# Allegro board FMDEMOD-Long.brd (continued)
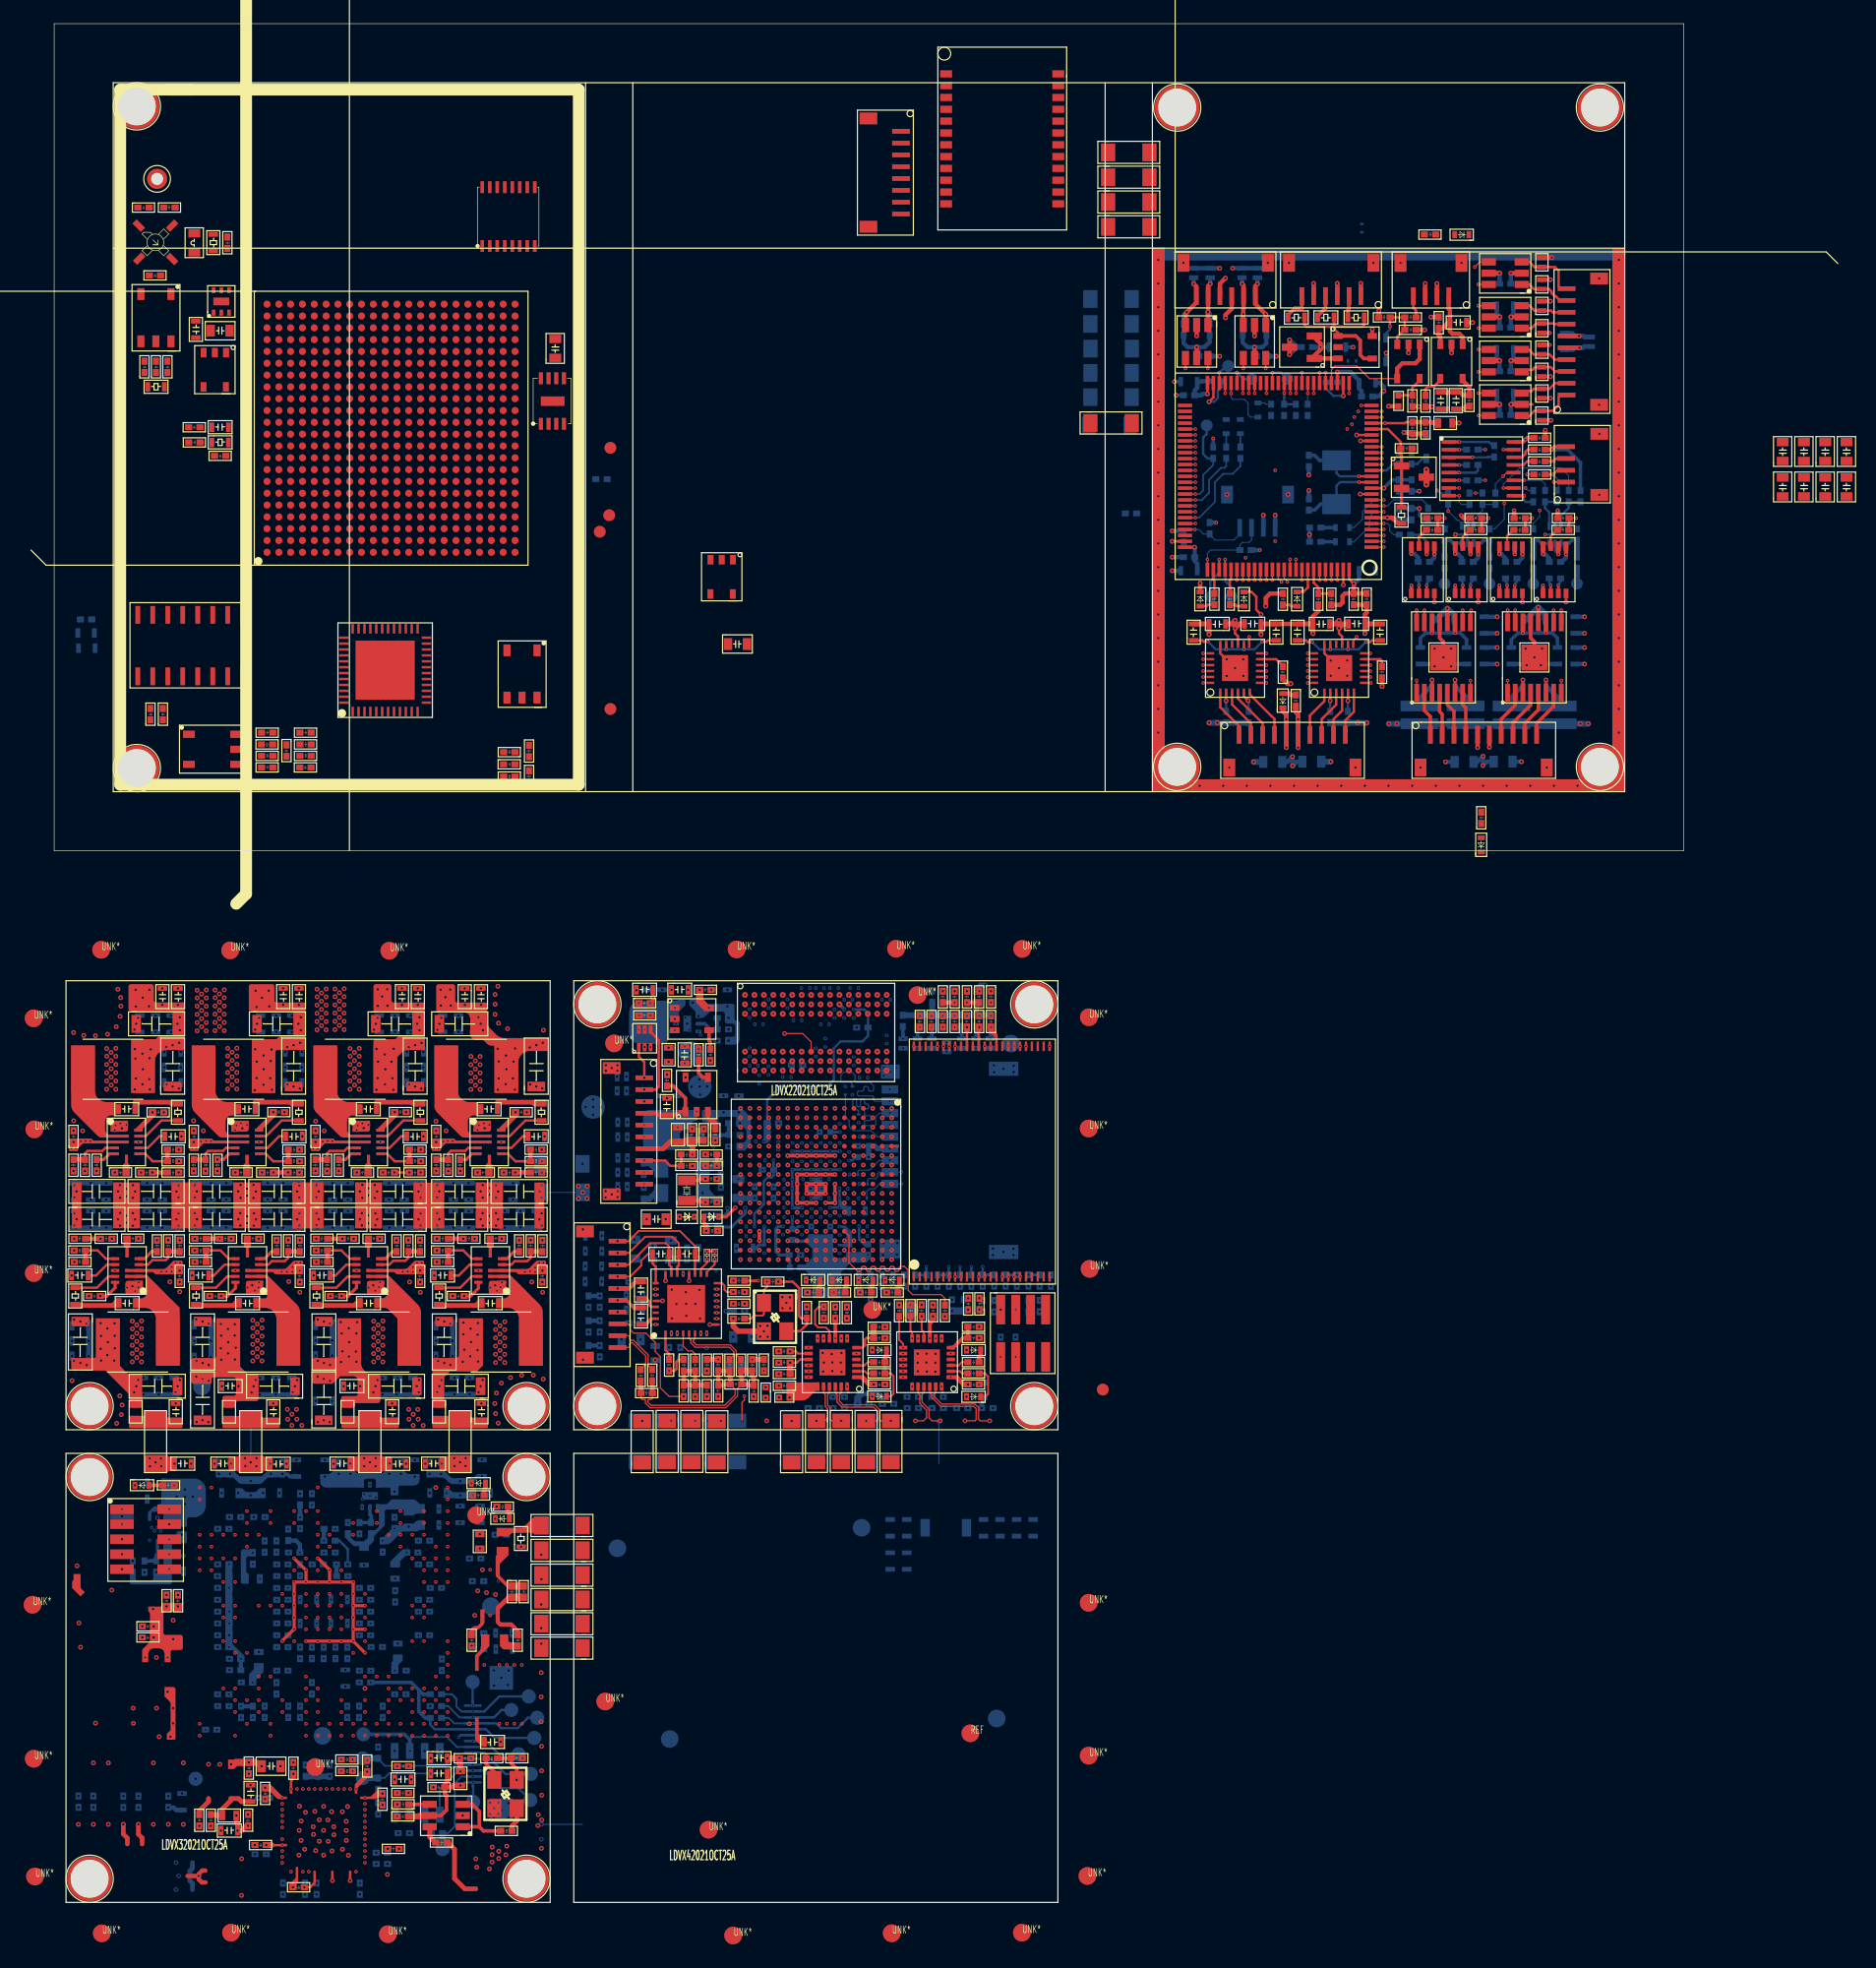
[diagram p0: board, top side]
## Routing (per net, layer and track width the routed paths; a pad name or vN(x,y) marks a point on that pad's centre or on a via; arc(x,y) is an arc through that point) (continued)
ENC3_A: length 4
  TOP w0.2: U50.3 124.94,46.13 125.36,45.71 D45.2 126.76,45.71 126.9,45.57 J14.8
ENC3_A_BUF: length 32.9
  TOP w0.1: U19.59 v1(96.64,33.69) ; U50.4 v1(120.61,46.13)
  SIGNAL-L7 w0.1: v1(96.64,33.69) 105.48,33.69 111.59,39.8 117.4,39.8 119.2,41.6 119.2,45.1 120.23,46.13 v1(120.61,46.13)
ENC3_B: length 4
  TOP w0.2: J14.7 127.1,44.57 127.05,44.62 D44.2 125.5,44.62 125.11,44.23 U50.1
ENC3_B_BUF: length 31.5
  TOP w0.1: U19.60 v1(96.64,33.19) ; U50.6 v1(120.61,44.23)
  SIGNAL-L7 w0.1: v1(120.61,44.23) 120.23,44.23 119.6,43.6 119.6,41.5 117.5,39.4 111.74,39.4 105.53,33.19 v1(96.64,33.19)
ENC4_A: length 5.5
  TOP w0.2: U51.3 124.93,49.83 125.36,49.4 D48.2 127.1,49.4 127.4,49.1 127.4,47.77 127.6,47.57 J14.10
ENC4_A_BUF: length 27.2
  TOP w0.1: U19.40 v1(102.67,38.71) ; v1(120.3,49.4) 120.73,49.83 U51.4
  SIGNAL-L7 w0.1: v1(102.67,38.71) 103.19,38.71 103.7,38.2 107.4,38.2 110,40.8 115.9,40.8 116.7,41.6 116.7,43.3 118.3,44.9 118.3,46.5 120.3,48.5 v1(120.3,49.4)
ENC4_B: length 4.4
  TOP w0.2: U51.1 124.9,47.93 125.3,47.53 D47.2 126.61,47.53 126.8,47.34 126.8,47.2 127.07,46.93 127.16,46.93 127.52,46.57 J14.9
ENC4_B_BUF: length 27
  TOP w0.1: U51.6 v1(120.6,47.93) ; U19.42 v1(101.67,38.71)
  SIGNAL-L7 w0.1: v1(101.67,38.71) 102.08,38.3 103.1,38.3 103.6,37.8 107.5,37.8 110.2,40.5 116.2,40.5 117.1,41.4 117.1,43.1 118.7,44.7 118.7,46.03 v1(120.6,47.93)
ENET1_CRS_DV: length 19
  SIGNAL-L4 w0.1: v17(67.72,-33.8) 67.29,-34.23 67.29,-35.09 67.45,-35.25 67.45,-35.39 67.23,-35.61 67.23,-35.75 67.37,-35.89 67.51,-35.89 67.74,-35.67 67.88,-35.67 68,-35.8 68.51,-35.8 68.99,-36.27 69.13,-36.27 69.81,-35.59 69.95,-35.59 70.09,-35.73 70.09,-35.87 69.58,-36.39 69.58,-36.53 69.68,-36.63 69.68,-37.08 69.33,-37.43 69.33,-37.63 69.43,-37.73 70,-37.73 70.1,-37.83 70.1,-38.04 69.88,-38.26 69.88,-38.4 70.02,-38.54 70.16,-38.54 70.38,-38.32 70.53,-38.32 70.67,-38.46 70.67,-38.6 70.45,-38.82 70.45,-38.96 70.59,-39.11 70.73,-39.11 70.95,-38.88 71.09,-38.88 71.23,-39.03 71.23,-39.17 71.01,-39.39 71.01,-39.53 71.15,-39.67 71.3,-39.67 71.46,-39.51 71.6,-39.51 71.74,-39.65 71.74,-39.79 71.58,-39.95 71.58,-40.1 71.72,-40.24 71.86,-40.24 72,-40.09 72.15,-40.09 72.29,-40.24 72.29,-40.38 72.14,-40.52 72.14,-40.66 72.21,-40.73 72.21,-41.76 72.46,-42.01 73.36,-42.01 73.47,-41.9 73.47,-41.59 v17(73.15,-41.27)
ENET1_LED1: length 1.6
  TOP w0.16: R99.1 76.88,-43.27 76.6,-43.55 U17.3
ENET1_LED2: length 1.5
  TOP w0.16: R108.1 76.88,-44.22 76.71,-44.05 U17.2
ENET1_NINT: length 34.4
  SIGNAL-L3 w0.1: v14(70.35,-41.23) 70.83,-41.23 71.21,-41.62 71.21,-42.35 71.41,-42.55 v17(71.89,-42.55)
  SIGNAL-L4 w0.1: v17(61.32,-27.4) 61.32,-28.13 60.9,-28.55 60.9,-29.74 61.23,-30.07 62.23,-30.07 62.51,-30.34 62.51,-35.14 62.21,-35.44 62.21,-39.02 63.27,-40.08 63.27,-42.17 63.66,-42.56 65.64,-42.56 68.72,-45.64 70.97,-45.64 71.18,-45.85 72.68,-45.85 73.05,-45.48 73.05,-44.55 72.85,-44.35 72.85,-43.1 72.3,-42.55 v17(71.89,-42.55)
ENET1_NRST: length 28
  SIGNAL-L4 w0.1: v17(71.89,-43.05) 72.22,-43.05 72.4,-43.23 72.4,-44.66 72.15,-44.92 71.2,-44.92 70.35,-44.07 v16(70.35,-43.27) 69.57,-44.05 67.99,-44.05 65.65,-41.71 65.65,-39.27 65.56,-39.18 65.56,-38.72 64.16,-37.33 64.16,-37.22 64.12,-37.19 64.12,-29.65 63.89,-29.42 62.95,-29.42 62.53,-29 v17(61.32,-29)
  BOTTOM w0.3: R270.1 70.35,-43.7 70.35,-43.7 v16(70.35,-43.27)
ENET1_RXD0: length 18.9
  SIGNAL-L4 w0.1: v17(66.92,-33.8) 67.33,-33.39 70.91,-33.39 73.03,-35.5 73.03,-38.09 72.91,-38.21 72.91,-38.66 73.03,-38.78 73.03,-38.92 72.75,-39.2 72.75,-39.47 73.34,-40.06 75.97,-40.06 76.17,-40.26 76.17,-41.8 75.92,-42.04 74.88,-42.04 74.65,-41.81 v17(74.65,-41.27)
ENET1_RXD1: length 19
  SIGNAL-L4 w0.1: v17(67.72,-34.6) 68.27,-35.14 69.7,-35.14 69.8,-35.05 69.8,-34.37 69.9,-34.27 70.1,-34.27 70.2,-34.37 70.2,-35.05 70.3,-35.14 70.5,-35.14 70.6,-35.05 70.6,-34.38 70.7,-34.28 70.89,-34.28 70.99,-34.38 70.99,-34.94 71.09,-35.05 71.56,-35.05 71.72,-35.21 71.72,-35.35 71.07,-35.99 71.07,-36.14 71.21,-36.28 71.36,-36.28 72,-35.63 72.14,-35.63 72.52,-36 72.52,-37.08 72.2,-37.41 71.74,-37.41 71.64,-37.51 71.64,-37.59 71.74,-37.69 72.14,-37.69 72.24,-37.79 72.24,-37.99 72.14,-38.09 72.12,-38.09 72,-38.21 72,-39.32 73.28,-40.59 74.8,-40.59 75.15,-40.94 v17(75.15,-41.27)
ENET1_RXER: length 21.7
  TOP w0.16: U17.10 73.65,-40.74 73.46,-40.56 v12(73.46,-39.39)
  SIGNAL-L4 w0.1: v12(73.46,-39.39) 74.05,-38.81 74.05,-37.85 73.46,-37.26 73.46,-34.86 72.85,-34.25 72.85,-34.1 73.03,-33.92 73.03,-33.78 72.89,-33.64 72.75,-33.64 72.57,-33.82 72.43,-33.82 72.27,-33.66 72.27,-33.52 73.64,-32.15 73.64,-32 73.5,-31.86 73.36,-31.86 71.98,-33.24 71.84,-33.24 71.7,-33.09 71.7,-32.95 73.07,-31.58 73.07,-31.44 72.93,-31.3 72.79,-31.3 71.38,-32.71 68.81,-32.71 v17(68.52,-33)
ENET1_RXN: length 8.2
  TOP w0.1: U17.22 74.15,-45.87 74.3,-46.02 74.3,-46.24 75.08,-47.02 77.88,-47.02 78.08,-47.22 78.08,-48.14 77.97,-48.24 v11(77.13,-48.24)
  SIGNAL-L3 w0.1: v14(77.38,-47.17) 77.38,-47.56 77.13,-47.82 v11(77.13,-48.24)
ENET1_RXP: length 8.2
  TOP w0.1: U17.23 74.65,-45.87 74.5,-46.02 74.5,-46.16 75.17,-46.82 77.97,-46.82 78.28,-47.14 78.28,-48.12 78.4,-48.24 v11(79.23,-48.24)
  SIGNAL-L3 w0.1: v11(79.23,-48.24) 79.23,-47.77 79.5,-47.5 v14(79.5,-47.17)
ENET1_TX_CLK: length 16.4
  TOP w0.1: R94.2 75.43,-37.88 75.11,-37.56 72.69,-37.56 72.32,-37.19 72.32,-35.5 72,-35.18 71.66,-35.18 71.56,-35.28 71.56,-35.47 71.46,-35.57 71.26,-35.57 71.16,-35.47 71.16,-35.28 71.06,-35.18 70.86,-35.18 70.76,-35.28 70.76,-35.47 70.66,-35.57 70.46,-35.57 70.36,-35.47 70.36,-35.28 70.26,-35.18 70.06,-35.18 69.96,-35.28 69.96,-35.47 69.86,-35.57 69.66,-35.57 69.56,-35.47 69.56,-35.28 69.46,-35.18 69.26,-35.18 69.16,-35.28 69.16,-35.47 69.06,-35.57 68.86,-35.57 68.76,-35.47 68.76,-35.28 68.66,-35.18 68.46,-35.18 68.36,-35.28 68.36,-35.47 68.26,-35.57 68.03,-35.57 67.3,-34.84 67.3,-32.58 U10.F14
ENET1_TXD0: length 21.5
  SIGNAL-L4 w0.1: v17(71.89,-44.05) 71.44,-44.05 71.08,-43.69 71.08,-42.51 70.52,-41.96 69.92,-41.96 69.51,-41.56 67.61,-41.56 67.51,-41.46 67.51,-41.27 67.61,-41.17 68.43,-41.17 68.53,-41.07 68.53,-40.9 68.43,-40.8 67.61,-40.8 67.51,-40.7 67.51,-40.48 67.61,-40.38 68.34,-40.38 68.48,-40.24 68.48,-40.1 68.38,-40 67.69,-40 67.51,-39.82 67.51,-39.07 67.01,-38.57 67.01,-37.42 66.5,-36.91 66.5,-36.22 65.73,-35.44 65.73,-33.32 65.62,-33.21 65.62,-32.79 65.91,-32.5 66.33,-32.5 66.43,-32.61 67.33,-32.61 v17(67.72,-33)
ENET1_TXD1: length 20.5
  SIGNAL-L4 w0.1: v17(71.89,-44.55) 71.32,-44.55 70.78,-44.01 70.78,-42.92 70.56,-42.69 67.83,-42.69 67.01,-41.87 67.01,-39.26 64.89,-37.14 64.89,-32.02 65.12,-31.79 67.31,-31.79 v17(67.72,-32.2)
ENET1_TXEN: length 18.8
  SIGNAL-L4 w0.1: v17(71.89,-43.55) 71.56,-43.55 71.46,-43.45 71.46,-42.12 70.89,-41.55 70.89,-41.38 70.98,-41.28 71.2,-41.28 71.38,-41.46 71.75,-41.46 71.84,-41.36 71.84,-40.99 71.75,-40.89 71.08,-40.89 70.98,-40.79 70.98,-40.69 71.08,-40.59 71.18,-40.59 71.28,-40.49 71.28,-40.39 71.18,-40.29 70.36,-40.29 70,-40.65 69.58,-40.65 69.48,-40.54 69.48,-40.26 70.2,-39.55 70.2,-39.4 70.05,-39.26 69.75,-39.26 69.28,-39.72 68.63,-39.72 68.13,-39.22 68.13,-38.7 67.66,-38.22 67.66,-37.27 67.06,-36.67 67.06,-36.08 66.51,-35.54 66.51,-33.41 v17(66.92,-33)
ENET1_TXN: length 5.2
  TOP w0.1: v11(72.93,-48.24) 73.63,-48.24 73.88,-47.99 73.88,-47.34 73.3,-46.76 73.3,-46.02 73.15,-45.87 U17.20
  SIGNAL-L3 w0.1: v14(73.19,-47.17) 73.19,-47.56 72.93,-47.83 v11(72.93,-48.24)
ENET1_TXP: length 5.2
  TOP w0.1: U17.21 73.65,-45.87 73.5,-46.02 73.5,-46.68 74.08,-47.26 74.08,-47.99 74.33,-48.24 v11(75.03,-48.24)
  SIGNAL-L3 w0.1: v14(75.3,-47.17) 75.3,-47.6 75.03,-47.86 v11(75.03,-48.24)
ENET2_CRS_DV: length 25
  SIGNAL-L3 w0.1: v10(65.15,-41.27) 65.15,-41.72 64.7,-42.17 64.7,-43.58 64.88,-43.76 65.41,-43.76 65.51,-43.66 65.51,-40.96 65.17,-40.63 64.23,-40.63 63.32,-39.72 63.32,-38.96 63.31,-38.95 63.31,-35.65 64.09,-34.87 64.09,-32 64.32,-31.77 68.75,-31.77 68.94,-31.96 68.94,-32.31 69.27,-32.64 69.27,-32.97 69.73,-33.43 69.73,-34.21 v10(70.12,-34.6)
ENET2_LED1: length 1.6
  TOP w0.16: U16.3 68.62,-43.55 68.9,-43.27 R98.1
ENET2_LED2: length 1.5
  TOP w0.16: U16.2 68.65,-44.05 68.83,-44.22 R107.1
ENET2_NINT: length 15.1
  TOP w0.16: U16.14 62.99,-42.55 62.81,-42.37 v11(62.32,-42.37)
  SIGNAL-L3 w0.1: v10(61.32,-29.8) 60.92,-30.2 60.92,-35.66 60.78,-35.8 60.78,-39.24 61.23,-39.69 61.23,-40.73 62.31,-41.82 62.31,-41.93 62.32,-41.93 v11(62.32,-42.37)
ENET2_NRST: length 18.9
  TOP w0.16: v11(62.32,-43.32) 62.89,-43.32 63.16,-43.05 63.36,-43.05 63.36,-43.05 U16.15
  TOP w0.5: C110.1 v11(62.32,-43.32)
  SIGNAL-L3 w0.1: v10(61.32,-28.2) 61.75,-28.63 61.75,-36.96 61.4,-37.31 61.4,-38.71 61.79,-39.1 61.79,-40.64 62.78,-41.63 62.78,-42.86 v11(62.32,-43.32)
ENET2_RXD0: length 22.7
  SIGNAL-L3 w0.1: v10(66.65,-41.27) 66.65,-40.87 66.75,-40.77 67.38,-40.77 67.48,-40.67 67.48,-40.47 67.38,-40.37 66.75,-40.37 66.65,-40.27 66.65,-39.35 66.91,-39.09 67.77,-39.09 68.27,-39.59 68.27,-40.42 68.37,-40.52 68.57,-40.52 68.67,-40.42 68.67,-39.63 68.77,-39.53 69,-39.53 69.1,-39.63 69.1,-40.16 69.2,-40.26 69.4,-40.26 69.5,-40.16 69.5,-39.63 69.6,-39.53 69.8,-39.53 69.9,-39.63 69.9,-40.16 70,-40.26 70.2,-40.26 70.3,-40.16 70.3,-39.63 70.4,-39.53 70.59,-39.53 70.69,-39.43 70.69,-38.96 70.59,-38.86 69.94,-38.86 69.84,-38.76 69.84,-38.52 69.94,-38.42 70.32,-38.42 70.58,-38.16 70.58,-37.96 70.48,-37.86 69.42,-37.86 69.32,-37.76 69.32,-37.44 69.68,-37.08 69.68,-36.63 69.33,-36.28 69.33,-35.91 69.43,-35.81 70.67,-35.81 70.77,-35.71 70.77,-35.57 70.64,-35.44 70.41,-35.44 70.31,-35.34 70.31,-35.12 70.21,-35.02 70.01,-35.02 69.91,-35.12 69.91,-35.34 69.81,-35.44 69.42,-35.44 69.32,-35.34 v17(69.32,-34.6)
ENET2_RXD1: length 24.4
  SIGNAL-L3 w0.1: v10(67.15,-41.27) 67.15,-41.6 67.46,-41.91 67.46,-42.64 66.91,-43.18 66.09,-43.18 65.9,-43 65.9,-42.33 66,-42.23 66.76,-42.23 66.86,-42.13 66.86,-41.93 66.76,-41.83 65.88,-41.83 65.78,-41.73 65.78,-40.43 65.47,-40.12 64.53,-40.12 64.03,-39.63 64.03,-37.88 64.56,-37.35 64.56,-36.93 64.46,-36.83 64.19,-36.83 64.09,-36.73 64.09,-36.53 64.19,-36.43 64.56,-36.43 64.66,-36.33 64.66,-36.03 64.56,-35.93 63.95,-35.93 63.85,-35.83 63.85,-35.63 63.95,-35.53 64.56,-35.53 64.66,-35.43 64.66,-35.05 64.87,-34.84 64.87,-32.69 64.97,-32.58 67.82,-32.58 68.14,-32.91 68.14,-33.2 68.35,-33.41 68.93,-33.41 v17(69.32,-33.8)
ENET2_RXER: length 22.7
  TOP w0.16: v10(65.18,-38.6) 64.75,-38.6 64.43,-38.92 64.43,-40.08 64.7,-40.34 65.34,-40.34 65.65,-40.64 U16.10
  SIGNAL-L3 w0.1: v10(65.18,-38.6) 65.43,-38.85 65.73,-38.85 65.95,-38.63 66.34,-38.63 66.44,-38.73 66.44,-39.05 66.31,-39.18 64.74,-39.18 64.64,-39.08 64.64,-37.91 64.74,-37.81 64.94,-37.81 65.04,-37.91 65.04,-38.13 65.17,-38.25 65.99,-38.25 66.15,-38.1 66.15,-37.96 65.95,-37.76 65.42,-37.76 65.12,-37.45 65.12,-37.04 65.22,-36.94 65.37,-36.94 65.47,-36.84 65.47,-36.64 65.37,-36.54 65.22,-36.54 65.12,-36.44 65.12,-36.24 65.22,-36.14 65.37,-36.14 65.47,-36.04 65.47,-35.84 65.37,-35.74 65.22,-35.74 65.12,-35.64 65.12,-35.44 65.22,-35.34 65.37,-35.34 65.47,-35.24 65.47,-35.02 65.71,-34.78 65.71,-33.32 65.61,-33.22 65.34,-33.22 65.24,-33.12 65.24,-32.98 65.34,-32.88 65.99,-32.88 66.53,-33.42 67.2,-33.42 67.3,-33.52 67.3,-34 67.5,-34.2 68.12,-34.2 v10(68.52,-33.8)
ENET2_RXN: length 8.4
  TOP w0.1: U16.22 66.15,-45.87 66.3,-46.02 66.3,-46.67 66.71,-47.08 69.39,-47.08 69.7,-47.39 69.7,-48.14 69.6,-48.24 v11(68.75,-48.24)
  SIGNAL-L3 w0.1: v14(69,-46.81) 69,-47.38 68.75,-47.63 v11(68.75,-48.24)
ENET2_RXP: length 8.4
  TOP w0.1: v11(70.85,-48.24) 70.02,-48.24 69.9,-48.12 69.9,-47.31 69.47,-46.88 66.8,-46.88 66.5,-46.58 66.5,-46.02 66.65,-45.87 U16.23
  SIGNAL-L3 w0.1: v11(70.85,-48.24) 70.85,-47.6 71.09,-47.35 v14(71.09,-46.81)
ENET2_TX_CLK: length 19.6
  SIGNAL-L3 w0.1: v11(67.12,-38.61) 67.87,-38.61 68.12,-38.86 68.51,-38.86 68.58,-38.79 68.58,-38.56 68.94,-38.2 68.94,-38 68.84,-37.89 68.47,-37.89 68.21,-38.15 66.71,-38.15 66.46,-37.9 66.46,-37.6 66.56,-37.5 67.53,-37.5 67.63,-37.4 67.63,-37.2 67.53,-37.1 66.56,-37.1 66.46,-37 66.46,-36.72 66.56,-36.62 67.12,-36.62 67.23,-36.52 67.23,-36.31 67.12,-36.2 66.36,-36.2 65.9,-35.75 65.9,-35.15 66.03,-35.02 66.25,-35.02 66.35,-35.12 66.35,-35.59 66.6,-35.84 68.44,-35.84 68.55,-35.73 68.55,-35.53 68.45,-35.43 67.22,-35.43 67.12,-35.33 67.12,-35.1 67.24,-34.99 68.77,-34.99 68.95,-34.81 68.95,-34.7 68.85,-34.6 v17(68.52,-34.6)
ENET2_TXD0: length 24.7
  SIGNAL-L3 w0.1: v10(70.92,-33) 70.55,-32.63 70.55,-31.14 70.43,-31.03 69.94,-31.03 69.74,-30.83 69.74,-30.52 69.47,-30.25 67.44,-30.25 66.97,-30.72 63.04,-30.72 62.5,-31.27 62.5,-34.2 62.35,-34.36 62.35,-40.61 63.27,-41.53 63.27,-43.75 63.56,-44.05 v10(63.89,-44.05)
ENET2_TXD1: length 24.8
  SIGNAL-L3 w0.1: v10(70.92,-33.8) 71.61,-34.49 72.1,-34.49 72.2,-34.59 72.2,-34.79 72.1,-34.89 71.34,-34.89 71.15,-35.08 71.15,-35.19 71.25,-35.29 72.1,-35.29 72.2,-35.39 72.2,-35.59 72.1,-35.69 71.25,-35.69 71.15,-35.79 71.15,-35.99 71.25,-36.09 72.3,-36.09 72.52,-36.31 72.52,-37.08 72.11,-37.49 71.52,-37.49 71.12,-37.9 71.12,-40.16 70.62,-40.65 69.42,-40.65 68.61,-41.46 68.61,-43.41 67.47,-44.55 66.01,-44.55 65.91,-44.65 65.91,-45.21 65.81,-45.31 65.61,-45.31 65.51,-45.21 65.51,-44.65 65.41,-44.55 65.21,-44.55 65.11,-44.65 65.11,-45.21 65.01,-45.31 64.81,-45.31 64.71,-45.21 64.71,-44.65 64.61,-44.55 v10(63.89,-44.55)
ENET2_TXEN: length 22.9
  SIGNAL-L3 w0.1: v10(63.89,-43.55) 63.57,-43.23 63.57,-42.68 63.67,-42.58 64.11,-42.58 64.36,-42.33 64.36,-41.66 64.12,-41.43 64,-41.43 63.88,-41.43 63.72,-41.27 63.72,-41.15 63.84,-41.02 63.84,-40.9 63.68,-40.74 63.56,-40.74 63.43,-40.86 63.27,-40.86 63.15,-40.75 63.15,-40.58 63.15,-40.46 62.85,-40.16 62.85,-35.3 63.29,-34.86 63.29,-31.36 63.6,-31.05 69.47,-31.05 69.72,-31.3 69.72,-32.27 70.12,-32.67 v10(70.12,-33)
ENET2_TXN: length 5
  TOP w0.1: v11(64.55,-48.24) 65.28,-48.24 65.5,-48.02 65.5,-47.23 65.3,-47.03 65.3,-46.02 65.15,-45.87 U16.20
  SIGNAL-L3 w0.1: v11(64.55,-48.24) 64.55,-47.8 64.8,-47.55 v14(64.8,-47.17)
ENET2_TXP: length 5.1
  TOP w0.1: v11(66.65,-48.24) 65.83,-48.24 65.71,-48.11 65.71,-47.14 65.5,-46.94 65.5,-46.02 65.65,-45.87 U16.21
  SIGNAL-L3 w0.1: v14(66.92,-47.17) 66.92,-47.55 66.65,-47.82 v11(66.65,-48.24)
ENET_MDC: length 20
  TOP w0.16: R91.1 71.55,-41.38 71.89,-41.72 v15(71.89,-42.05)
  SIGNAL-L4 w0.1: v17(62.92,-33.8) 63.34,-34.22 63.34,-35.03 62.78,-35.6 62.78,-38.72 63.89,-39.84 v15(63.89,-42.05)
  SIGNAL-L8 w0.1: v15(71.89,-42.05) 71.56,-42.05 71.39,-42.22 64.39,-42.22 64.22,-42.05 v15(63.89,-42.05)
ENET_MDIO: length 17.9
  TOP w0.16: v15(72.65,-41.27) 72.65,-40.74 72.52,-40.61 R92.1
  SIGNAL-L4 w0.1: v17(63.72,-34.6) 63.72,-35.33 63.15,-35.9 63.15,-38.23 64.65,-39.73 v15(64.65,-41.27)
  SIGNAL-L8 w0.1: v15(72.65,-41.27) 71.52,-41.27 71,-41.78 65.16,-41.78 v15(64.65,-41.27)
FPGA_RST_MCU: length 8.5
  SIGNAL-L3 w0.1: v11(41.25,-67.1) 40.87,-67.1 40.24,-67.73 34.49,-67.73 33.65,-66.89 v10(33.32,-66.89)
FPGA_SPI2_CS: length 10.9
  SIGNAL-L3 w0.1: v10(32.32,-60.89) 32.81,-61.38 34.1,-61.38 34.24,-61.51 34.5,-61.51 34.57,-61.45 34.57,-61.31 34.64,-61.24 34.9,-61.24 34.97,-61.31 34.97,-61.45 35.04,-61.51 35.3,-61.51 35.37,-61.45 35.37,-61.31 35.44,-61.24 35.7,-61.24 35.77,-61.31 35.77,-61.45 35.85,-61.53 38.02,-61.53 40.28,-63.78 v11(41.24,-63.78)
FPGA_SPI2_MOSI: length 10.5
  SIGNAL-L3 w0.1: v11(41.25,-65.79) 40.37,-65.79 36.98,-62.4 32.83,-62.4 v10(32.32,-61.89)
FPGA_SPI_MISO: length 9.7
  SIGNAL-L3 w0.1: v10(32.32,-59.89) 32.81,-60.37 39.41,-60.37 40.68,-61.64 v11(41.26,-61.64)
FPGA_SPI_MOSI: length 9.5
  SIGNAL-L3 w0.1: v10(32.32,-58.89) 32.82,-59.39 35.36,-59.39 35.53,-59.56 36.64,-59.56 37.01,-59.18 40.36,-59.18 40.74,-59.57 v11(41.25,-59.57)
GPIO1_IO1: length 7.3
  SIGNAL-L7 w0.1: v18(62.92,-33) 63.53,-33 63.92,-33.39 64.67,-33.39 64.93,-33.66 64.93,-34.95 65.45,-35.47 66.76,-35.47 67.62,-36.33 v18(68.13,-36.33)
GPIO1_IO2: length 14.1
  SIGNAL-L7 w0.1: v18(62.92,-32.2) 62.53,-32.59 62.53,-33.33 65,-35.81 66.53,-35.81 67.35,-36.62 67.35,-38.02 67.76,-38.43 69.86,-38.43 70.6,-37.69 70.6,-36.56 v18(70.37,-36.33)
GPIO1_IO3: length 2
  SIGNAL-L7 w0.1: v18(63.67,-36.33) 63.67,-35.35 v18(62.92,-34.6)
GPIO1_IO4: length 10.1
  SIGNAL-L7 w0.1: v18(62.12,-33.8) 62.36,-34.04 62.36,-34.93 62.99,-35.57 62.99,-37.39 63.7,-38.09 66.1,-38.09 66.85,-37.35 66.85,-36.79 66.39,-36.33 v18(65.9,-36.33)
HPD: length 11
  SIGNAL-L4 w0.1: v16(46.19,-41.87) 46.83,-42.51 53.95,-42.51 54.77,-41.7 v17(54.77,-40.84)
  BOTTOM w0.36: R269.1 v16(46.19,-41.87)
I2C2_SCL: length 13.8
  TOP w0.16: U15.17 55.27,-35.66 55.93,-35 v15(55.93,-34.58)
  SIGNAL-L8 w0.1: v15(55.93,-34.58) 57.14,-33.37 66.15,-33.37 66.53,-33.75 66.53,-34.21 v15(66.92,-34.6)
I2C2_SDA: length 23.1
  TOP w0.16: U15.18 54.77,-35.39 55.28,-34.87 v15(55.28,-34.58)
  SIGNAL-L8 w0.1: v15(66.12,-31.4) 65.14,-31.4 64.96,-31.58 64.96,-32.16 64.5,-32.61 63.33,-32.61 61.31,-30.59 60.57,-30.59 59.95,-31.2 56.45,-31.2 54.11,-33.53 54.11,-35.48 54.77,-36.14 56.15,-36.14 56.53,-35.75 56.53,-35.33 56.3,-35.09 55.79,-35.09 v15(55.28,-34.58)
IO2: length 6.9
  SIGNAL-L3 w0.1: v10(12.32,-57.89) 11.66,-57.89 11.42,-57.64 8.66,-57.64 8.01,-57 v11(5.74,-57)
IO3: length 6.8
  SIGNAL-L3 w0.1: v10(12.32,-58.89) 8.58,-58.89 7.96,-58.27 v11(5.74,-58.27)
IO4: length 6.9
  SIGNAL-L3 w0.1: v11(5.74,-59.53) 7.73,-59.53 8.35,-60.16 10.97,-60.16 11.24,-59.89 v10(12.32,-59.89)
IO5: length 7.1
  SIGNAL-L3 w0.1: v10(12.32,-60.89) 11.9,-60.89 11.32,-61.47 7.11,-61.47 6.44,-60.81 v11(5.74,-60.81)
IO6: length 4
  SIGNAL-L3 w0.1: v11(9.74,-60.81) 11,-60.81 11.41,-60.39 12.83,-60.39 v10(13.32,-60.89)
IO7: length 3.8
  SIGNAL-L3 w0.1: v10(13.32,-59.89) 12.82,-59.38 10.78,-59.38 10.63,-59.53 v11(9.74,-59.53)
IO8: length 3.8
  SIGNAL-L3 w0.1: v10(13.32,-58.89) 12.83,-58.4 11.42,-58.4 11.29,-58.26 v11(9.74,-58.26)
IO9: length 3.9
  SIGNAL-L3 w0.1: v10(13.32,-57.89) 12.8,-57.36 11.92,-57.36 11.55,-57 v11(9.74,-57)
LASER_TXD: length 15.9
  TOP w0.2: J21.3 127.2,33.2 v1(127,33) 126.95,32.95 R372.2
  SIGNAL-L3 w0.1: v1(117.1,30.5) 117.1,32.7 117.7,33.3 119.2,33.3 119.7,32.8 120.9,32.8 121.5,33.4 126.6,33.4 v1(127,33)
  BOTTOM w0.1: v1(117.1,30.5) 117.32,30.28 R335.1
LCD_DATA0: length 24.6
  TOP w0.36: R1.2 v18(76.26,-12.84)
  SIGNAL-L7 w0.1: v18(76.26,-12.84) 76.76,-13.34 76.76,-14.42 77.52,-15.19 77.52,-16.87 78.19,-17.54 78.19,-18.04 79.01,-18.86 79.01,-25.18 76.64,-27.54 70.78,-27.54 v18(70.12,-28.2)
LCD_DATA1: length 25.2
  TOP w0.36: v18(77.3,-12.84) R4.2
  SIGNAL-L7 w0.1: v18(70.92,-28.2) 71.29,-27.83 72.31,-27.83 72.47,-27.99 76.98,-27.99 79.52,-25.45 79.52,-18.22 78.3,-16.99 78.3,-16.4 78.82,-15.88 78.82,-13.69 78.55,-13.43 77.89,-13.43 v18(77.3,-12.84)
LCD_DATA2: length 26.8
  SIGNAL-L7 w0.1: v18(67.72,-29) 68.11,-28.61 72.17,-28.61 72.37,-28.4 77.37,-28.4 80,-25.77 80,-13.84 79.33,-13.18 v18(79.33,-12.84)
LCD_DATA3: length 20
  SIGNAL-L8 w0.1: v15(75.26,-14.93) 76.04,-15.71 76.04,-25.68 74.03,-27.69 69.83,-27.69 v15(68.52,-29)
LCD_DATA4: length 21.2
  SIGNAL-L8 w0.1: v15(76.26,-14.93) 76.85,-14.93 77.42,-15.5 77.42,-25.91 74.63,-28.7 69.62,-28.7 v15(69.32,-29)
LCD_DATA5: length 12.9
  SIGNAL-L7 w0.1: v18(70.12,-29) 70.52,-29.4 73.16,-29.4 78.63,-34.88 v19(78.63,-35.2)
  BOTTOM w0.2: v19(78.63,-35.2) R242.2
  BOTTOM w0.22: R242.2 79.06,-35.9 79.07,-35.89 R241.1
LCD_DATA6: length 15.7
  SIGNAL-L7 w0.1: v19(82.5,-35.89) 82.5,-35.4 81.78,-34.69 79.41,-34.69 73.72,-29 v18(70.92,-29)
  BOTTOM w0.22: v19(82.5,-35.89) 83.01,-35.89 83.02,-35.9 R237.2
LCD_DATA7: length 22.4
  SIGNAL-L8 w0.1: v15(68.52,-29.8) 69.29,-29.8 69.68,-29.41 78.66,-29.41 83.26,-34.01 83.26,-35.9 ; v9(84.4,-35.9) 83.26,-35.9 ; 83.26,-35.9 82.89,-36.26 82.89,-37.5 v9(83.45,-38.05)
LCD_DATA8: length 10.1
  SIGNAL-L7 w0.1: v19(76.72,-35.21) 76.72,-34.22 72.69,-30.19 70.51,-30.19 v18(70.12,-29.8)
  BOTTOM w0.2: v19(76.72,-35.21) R244.2
LCD_DATA9: length 10.1
  SIGNAL-L7 w0.1: v18(70.92,-29.8) 72.97,-29.8 77.67,-34.49 v19(77.67,-35.2)
  BOTTOM w0.2: R243.2 77.67,-35.89 v19(77.67,-35.2)
LCD_DATA10: length 21.2
  SIGNAL-L8 w0.1: v15(67.72,-30.6) 67.49,-30.37 67.49,-29.42 70.12,-26.79 73.48,-26.79 75.03,-25.23 75.03,-15.67 v15(74.29,-14.93)
LCD_DATA11: length 17.1
  SIGNAL-L8 w0.1: v9(81.52,-35.9) 81.52,-34.27 78.23,-30.98 68.9,-30.98 v15(68.52,-30.6)
  BOTTOM w0.22: v9(81.52,-35.9) 81.1,-35.9 81.09,-35.89 R240.1
LCD_DATA12: length 18.9
  SIGNAL-L8 w0.1: v9(82.5,-38.06) 81.98,-37.54 81.98,-33.58 78.6,-30.2 69.72,-30.2 v15(69.32,-30.6)
LCD_DATA13: length 8.7
  SIGNAL-L7 w0.1: v19(73.86,-35.2) 73.86,-32.85 72.03,-31.01 70.53,-31.01 v18(70.12,-30.6)
  BOTTOM w0.2: R247.2 v19(73.86,-35.2)
  BOTTOM w0.22: R248.2 R247.2
LCD_DATA14: length 9.1
  SIGNAL-L7 w0.1: v18(70.92,-30.6) 72.39,-30.6 75.76,-33.97 v19(75.76,-35.2)
  BOTTOM w0.2: R245.2 v19(75.76,-35.2)
  BOTTOM w0.22: R246.2 R245.2
LCD_DATA15: length 21.9
  SIGNAL-L8 w0.1: v15(73.31,-14.93) 73.31,-15.39 73.72,-15.8 73.72,-24.35 72.37,-25.71 69.95,-25.71 67.07,-28.59 67.07,-30.85 67.38,-31.17 68.29,-31.17 v15(68.52,-31.4)
LCD_DATA16: length 16.2
  SIGNAL-L8 w0.1: v9(79.61,-38.06) 80.08,-37.58 80.08,-33.88 77.99,-31.79 69.71,-31.79 v15(69.32,-31.4)
LCD_DATA17: length 5.3
  SIGNAL-L7 w0.1: v19(70.09,-35.9) 70.09,-35.03 71.03,-34.09 71.03,-33.52 70.51,-33 70.51,-31.79 v18(70.12,-31.4)
LCD_DATA18: length 6.4
  SIGNAL-L7 w0.1: v18(70.92,-31.4) 71.83,-31.4 73.07,-32.64 73.07,-34.28 71.97,-35.39 v19(71.97,-35.9)
LCD_DATA19: length 3.8
  SIGNAL-L7 w0.1: v18(68.52,-32.2) 68.16,-32.56 v19(68.16,-35.9)
LCD_DATA20: length 13.5
  SIGNAL-L8 w0.1: v9(78.63,-38.06) 77.2,-36.62 77.2,-33.69 76.08,-32.58 69.7,-32.58 v15(69.32,-32.2)
LCD_DATA21: length 5.1
  SIGNAL-L7 w0.1: v19(69.13,-35.9) 69.13,-35.57 68.56,-35 68.56,-33.43 69.13,-32.87 69.98,-32.87 70.12,-32.73 v18(70.12,-32.2)
LCD_DATA22: length 5
  SIGNAL-L7 w0.1: v19(71.04,-35.9) 71.04,-35.34 72.09,-34.28 72.09,-32.66 71.64,-32.2 v18(70.92,-32.2)
LCD_DATA23: length 4.6
  SIGNAL-L7 w0.1: v18(70.12,-33.8) 69.62,-34.3 69.62,-37.51 v19(69.13,-37.99)
LDO_3V3: length 4.5
  TOP w0.4: C212.2 13.7,-81.56 13.78,-81.65 L22.1 14.23,-81.1 14.97,-80.36 14.97,-80.21 15.61,-80.21 15.87,-80.47 C207.2
LED1: length 2.7
  SIGNAL-L3 w0.1: v10(33.32,-55.89) 34.12,-55.89 v11(35.45,-54.55)
LED2: length 4.7
  SIGNAL-L3 w0.1: v11(37.47,-55.51) 35.84,-55.51 34.46,-56.89 v10(33.32,-56.89)
LED3: length 3.6
  SIGNAL-L3 w0.1: v10(13.32,-53.89) 12.86,-54.35 11.48,-54.35 10.84,-53.7 v11(10.16,-53.7)
LIMIT_SW1: length 9.1
  TOP w0.1: U19.57 v1(96.64,34.69) ; U31.4 v1(95.8,40.82)
  SIGNAL-L3 w0.1: v1(96.64,34.69) 96.96,34.69 97.43,35.15 97.43,37.27 96.5,38.2 96.5,40.12 v1(95.8,40.82)
LIMIT_SW2: length 9.7
  TOP w0.1: U19.58 v1(96.64,34.19) ; U31.6 v1(97.7,40.82)
  SIGNAL-L3 w0.1: v1(96.64,34.19) 96.99,34.19 97.7,34.9 97.7,37.5 96.9,38.3 96.9,40.02 v1(97.7,40.82)
LIMIT_SW3: length 12.9
  TOP w0.1: U19.61 v1(96.64,32.69) ; U25.4 100.7,41.02 100.7,41.01 v1(100.7,40.82)
  SIGNAL-L3 w0.1: v1(96.64,32.69) 96.96,32.69 98.7,34.42 98.7,35.3 98.3,35.7 98.3,39.2 99.01,39.91 100.42,39.91 100.7,40.19 v1(100.7,40.82)
LIMIT_SW4: length 15
  TOP w0.1: U19.62 96.64,32.19 v1(96.64,32.19) ; U25.6 v1(102.6,40.82)
  SIGNAL-L3 w0.1: v1(102.6,40.82) 102.6,40.05 102.05,39.5 99.27,39.5 98.64,38.86 98.64,35.87 99,35.5 99,34.2 96.99,32.19 v1(96.64,32.19)
LSW1: length 5.6
  TOP w0.36: v2(96.5,47.97) 96.72,47.75 J15.6 96.72,46.39 v2(95.92,45.59) 95.8,45.47 U31.3
  BOTTOM w0.36: R187.1 95.65,45.32 v2(95.92,45.59) ; v2(96.5,47.97) D22.2
LSW2: length 5.2
  TOP w0.36: v2(97.9,47.97) 97.72,47.79 J15.5 97.72,45.62 v2(97.7,45.6) U31.1
  BOTTOM w0.36: R189.1 97.85,45.45 v2(97.7,45.6) ; v2(97.9,47.97) D25.2
LSW3: length 4.9
  TOP w0.36: v2(100.6,47.97) 100.72,47.85 J15.2 100.72,45.88 100.7,45.86 v2(100.7,45.4) U25.3
  BOTTOM w0.36: v2(100.6,47.97) D54.2 ; v2(100.7,45.4) 100.65,45.35 R377.1
LSW4: length 5.3
  TOP w0.36: v2(101.9,47.97) 101.71,47.79 101.71,46.95 J15.1 101.72,46.29 v2(102.6,45.41) U25.1
  BOTTOM w0.36: v2(102.6,45.41) 102.65,45.36 R378.1 ; v2(101.9,47.97) D55.2
M1_DRV+: length 3.8
  TOP w0.28: U26.2 116.03,11.87 116.54,11.36 J19.1
M1_DRV-: length 3.7
  TOP w0.28: J19.2 117.54,11.56 117.33,11.77 U26.4
M1_I_ADC: length 13.6
  TOP w0.1: U19.18 v1(112.44,34.19) ; C567.1 v1(117.77,28.15)
  TOP w0.2: C567.1 117.19,27.67 117.17,27.65 R339.2
  SIGNAL-L7 w0.1: v1(112.44,34.19) 113.81,34.19 115,33 115,28.5 115.9,27.6 117.54,27.6 117.77,27.82 v1(117.77,28.15)
M1_PWM+: length 30.2
  TOP w0.1: v1(96.64,31.19) U19.64 ; v1(119.28,20.36) U26.10
  SIGNAL-L7 w0.1: v1(119.28,20.36) 119.28,20.68 116.66,23.3 111.7,23.3 107.66,27.34 99.86,27.34 98.4,28.8 98.4,30.4 97.61,31.19 v1(96.64,31.19)
M1_PWM-: length 30.6
  TOP w0.1: v1(105.17,38.71) U19.35 ; U26.9 119.93,20.13 120,20.2 v1(120,20.36)
  SIGNAL-L8 w0.1: v1(120,20.36) 120,20.8 119.2,21.6 117.9,21.6 115.7,23.8 114.3,23.8 113.4,24.7 109,24.7 107.2,26.5 107.2,34.8 105.8,36.2 105.8,38.08 v1(105.17,38.71)
M2_DRV+: length 3.7
  TOP w0.28: U26.7 119.28,12.36 119.54,12.1 J19.4
M2_DRV-: length 3.8
  TOP w0.28: U26.5 117.98,12.36 118.54,11.8 J19.3